# Altium PCB 0020-03_FFT2G.PcbDoc (part 13 of 16) (continued)
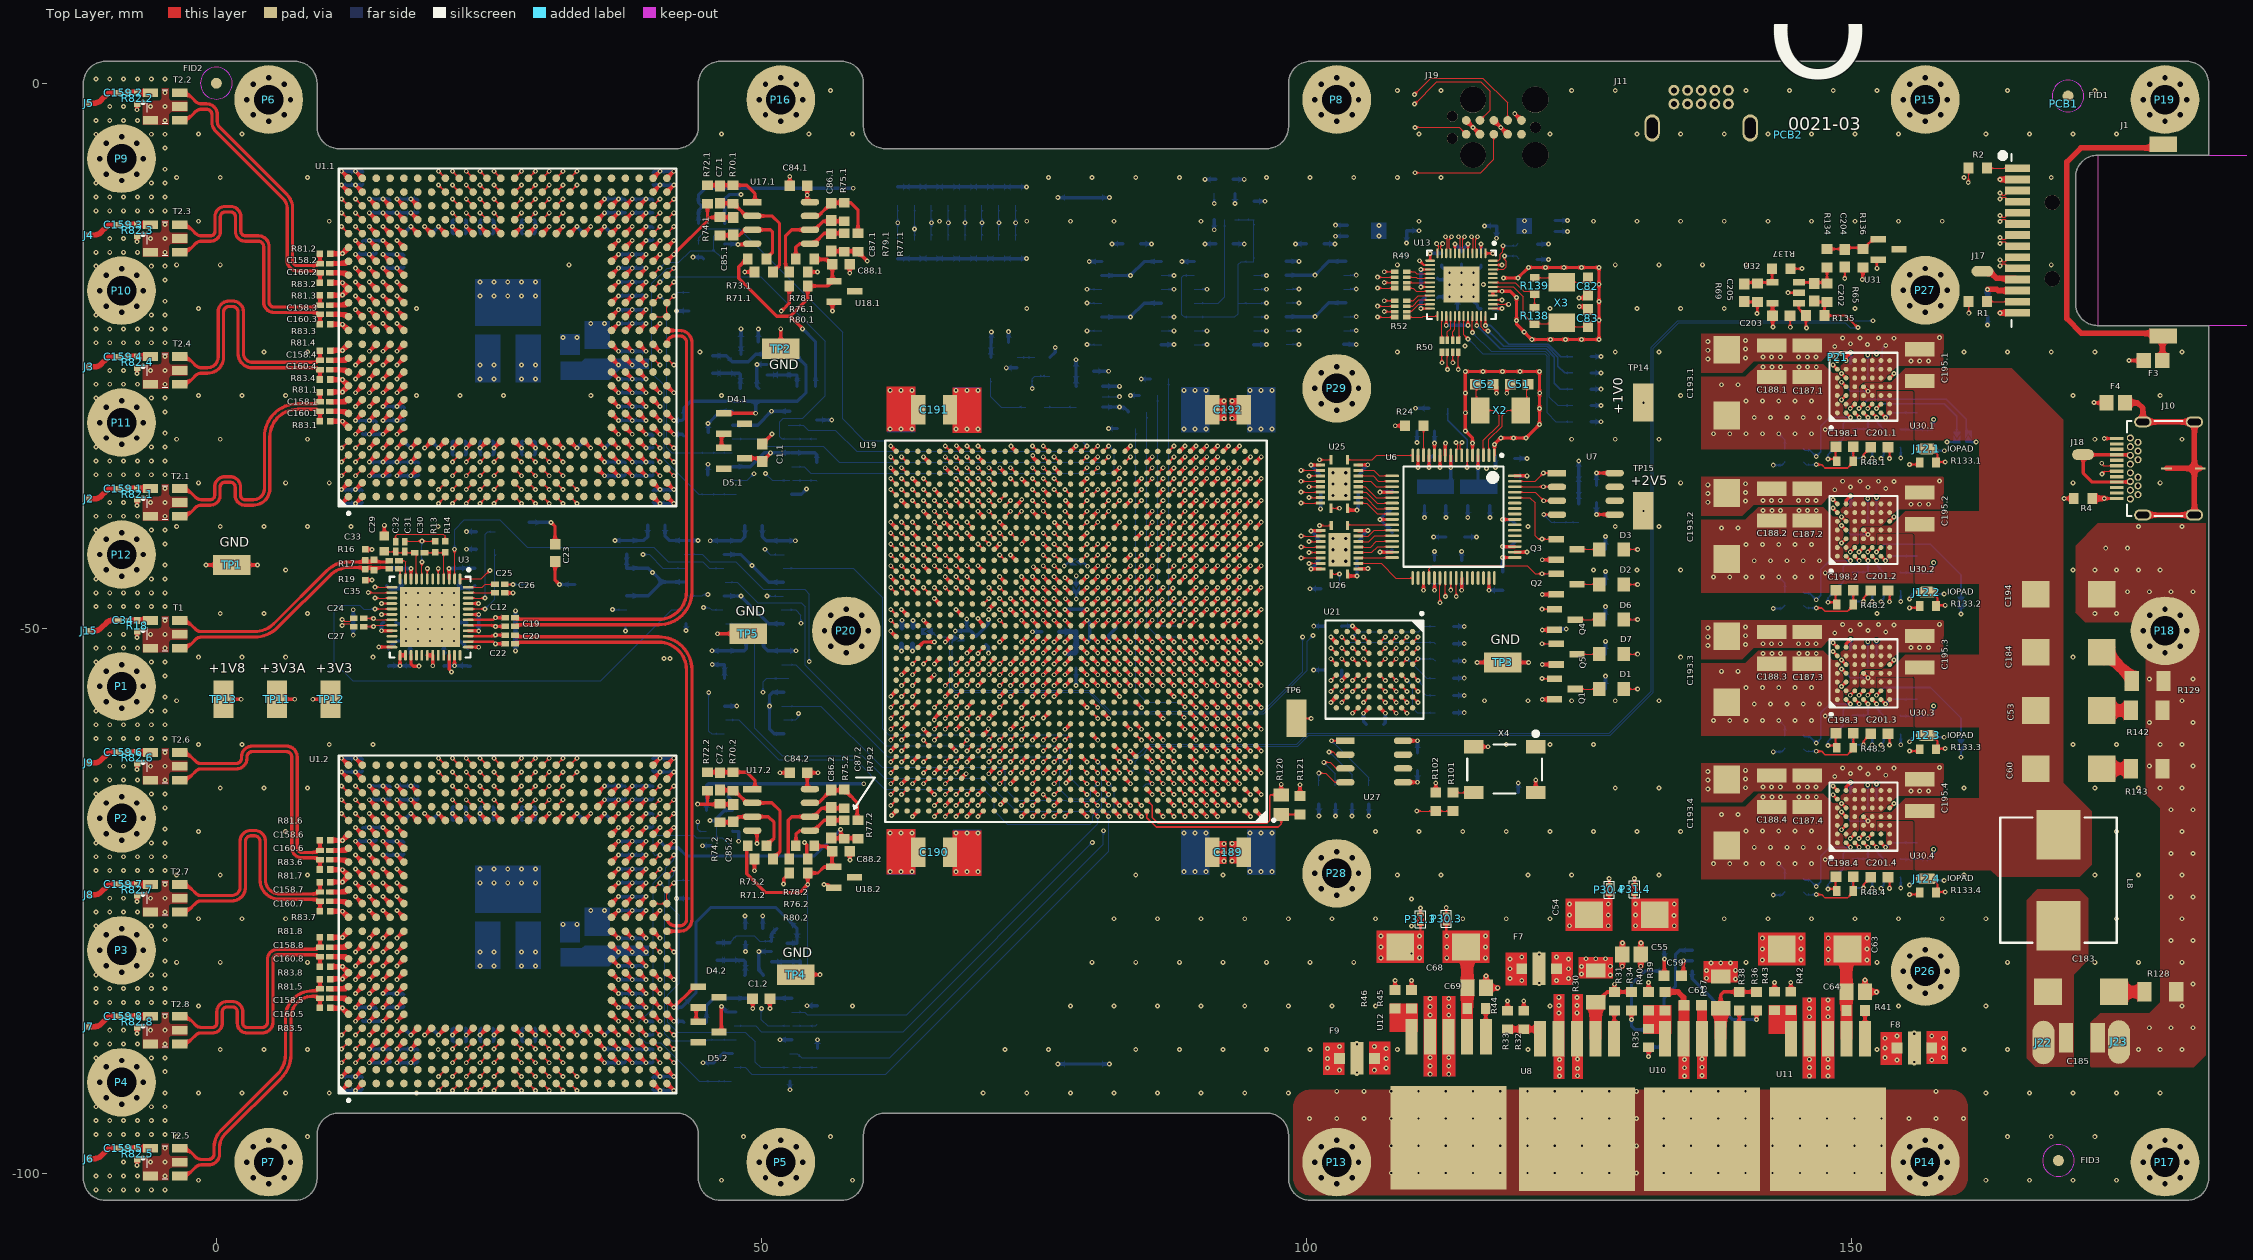
[diagram p0: Top Layer view]
## Nets (pads, with @x,y where several pads share a name; then routed paths per layer and width w, separated by ;. In a path a pad name is that pad's centre, name@x,y a point inside that pad or via, vN(x,y) a via of type N, cw(c..) or ccw(c..) an arc to the next point about the centre after c; other vN are vias at no path point) (continued)
SA.7_N: U1.2.H2 U19.E24 | length 74.2
  Top Layer w0.1: v1(20.383,-91.148) U1.2.H2@21.018,-90.513 ; v1(71.875,-63.28) U19.E24@72.375,-62.78
  LVDS3 w0.1: v1(20.383,-91.148) 20.383,-91.576 20.49,-91.683 20.862,-91.683 21.096,-91.917 21.096,-92.692 21.328,-92.924 25.976,-92.924 26.423,-92.477 26.423,-90.003 27.411,-89.016 55.767,-89.016 70.548,-74.234 70.548,-64.306 71.19,-63.664 71.773,-63.664 71.875,-63.562 v1(71.875,-63.28)
SA.7_P: U1.2.H1 U19.D24 | length 74.3
  Top Layer w0.1: v1(20.383,-92.418) U1.2.H1@21.018,-91.783 ; v1(71.875,-64.28) U19.D24@72.375,-63.78
  LVDS3 w0.1: v1(20.383,-92.418) 20.383,-91.989 20.49,-91.883 20.779,-91.883 20.896,-92 20.896,-92.775 21.245,-93.124 26.059,-93.124 26.623,-92.56 26.623,-92.19 26.623,-90.086 27.494,-89.216 55.85,-89.216 70.748,-74.317 70.748,-64.389 71.273,-63.864 71.773,-63.864 71.875,-63.966 v1(71.875,-64.28)
SA.8_N: U1.2.B3 U19.G25 | length 74.6
  Top Layer w0.1: v1(12.763,-89.878) U1.2.B3@13.398,-89.243 ; v1(70.875,-61.28) U19.G25@71.375,-60.78
  LVDS3 w0.1: v1(12.763,-89.878) 12.354,-89.878 12.228,-90.003 12.228,-90.191 12.447,-90.409 17.936,-90.409 19.629,-88.716 19.629,-87.003 25.087,-81.545 41.123,-81.545 59.988,-62.68 69.196,-62.68 70.196,-61.68 70.558,-61.68 70.727,-61.849 70.81,-61.849 70.875,-61.784 v1(70.875,-61.28)
SA.8_P: U1.2.A3 U19.F25 | length 74.5
  Top Layer w0.1: v1(11.493,-89.878) U1.2.A3@12.128,-89.243 ; v1(70.875,-62.28) U19.F25@71.375,-61.78
  LVDS3 w0.1: v1(11.493,-89.878) 11.903,-89.878 12.028,-90.003 12.028,-90.274 12.364,-90.609 18.018,-90.609 19.829,-88.799 19.829,-87.085 25.17,-81.745 41.205,-81.745 45.597,-77.353 59.592,-63.358 60.07,-62.88 69.279,-62.88 70.279,-61.88 70.475,-61.88 v1(70.875,-62.28)
SA.9_N: U1.2.B4 U19.B30 | length 75.9
  Top Layer w0.1: v1(12.763,-88.608) U1.2.B4@13.398,-87.973 ; v1(65.875,-66.28) U19.B30@66.375,-65.78
  LVDS1 w0.1: v1(12.763,-88.608) 12.287,-88.608 12.228,-88.666 12.228,-91.241 12.641,-91.654 18.215,-91.654 19.718,-90.151 19.718,-87.708 19.721,-87.705 19.721,-84.24 23.712,-80.249 57.651,-80.249 65.123,-72.778 65.123,-67.366 65.875,-66.614 v1(65.875,-66.28)
SA.9_P: U1.2.A4 U19.A30 | length 75.7
  Top Layer w0.1: v1(11.493,-88.608) U1.2.A4@12.128,-87.973 ; v1(65.875,-67.28) U19.A30@66.375,-66.78
  LVDS1 w0.1: v1(11.493,-88.608) 11.97,-88.608 12.028,-88.666 12.028,-91.324 12.558,-91.854 18.298,-91.854 19.918,-90.234 19.918,-87.791 19.921,-87.788 19.921,-84.323 23.795,-80.449 57.734,-80.449 65.323,-72.86 65.323,-67.449 65.492,-67.28 v1(65.875,-67.28) v1@65.875,-67.293
SA.DR_N: U1.2.M2 U19.D29 | length 76.2
  Top Layer w0.1: v1(25.463,-91.148) U1.2.M2@26.098,-90.513 ; v1(66.875,-64.28) U19.D29@67.375,-63.78
  LVDS1 w0.1: v1(25.463,-91.148) 25.463,-91.557 25.393,-91.627 25.187,-91.627 24.908,-91.348 24.908,-90.767 25.112,-90.562 26.25,-90.562 27.411,-91.723 42.712,-91.723 ccw(c42.712,-91.273) 43.162,-91.273 43.162,-91.173 cw(c43.412,-91.173) 43.412,-90.923 43.712,-90.923 cw(c43.712,-91.173) 43.962,-91.173 43.962,-92.073 ccw(c44.412,-92.073) 44.412,-92.523 44.712,-92.523 ccw(c44.712,-92.073) 45.162,-92.073 45.162,-91.973 cw(c45.412,-91.973) 45.412,-91.723 57.737,-91.723 71.573,-77.886 71.573,-65.756 70.497,-64.68 66.947,-64.68 66.875,-64.608 v1(66.875,-64.28)
SA.DR_P: U1.2.M1 U19.C29 | length 76.1
  Top Layer w0.1: v1(25.463,-92.418) U1.2.M1@26.098,-91.783 ; v1(66.875,-65.28) U19.C29@67.375,-64.78
  LVDS1 w0.1: v1(25.463,-92.418) 25.463,-91.932 25.359,-91.827 25.101,-91.827 24.708,-91.434 24.708,-90.684 25.03,-90.362 26.333,-90.362 27.494,-91.523 42.712,-91.523 ccw(c42.712,-91.273) 42.962,-91.273 42.962,-91.173 cw(c43.412,-91.173) 43.412,-90.723 43.712,-90.723 cw(c43.712,-91.173) 44.162,-91.173 44.162,-92.073 ccw(c44.412,-92.073) 44.412,-92.323 44.712,-92.323 ccw(c44.712,-92.073) 44.962,-92.073 44.962,-91.973 cw(c45.412,-91.973) 45.412,-91.523 57.654,-91.523 71.373,-77.804 71.373,-65.839 70.414,-64.88 67.275,-64.88 v1(66.875,-65.28)
SA.OR_N: U1.2.B5 U19.F29 | length 75.8
  Top Layer w0.1: v1(12.763,-87.338) U1.2.B5@13.398,-86.703 ; v1(66.875,-62.28) U19.F29@67.375,-61.78
  LVDS1 w0.1: v1(12.763,-87.338) 12.354,-87.338 12.228,-87.463 12.228,-87.699 12.393,-87.864 17.981,-87.864 18.432,-87.412 18.432,-82.358 21.964,-78.826 57.926,-78.826 64.527,-72.225 64.527,-65.51 65.3,-64.736 65.3,-63.041 65.662,-62.68 66.761,-62.68 66.853,-62.588 66.853,-62.302 v1(66.875,-62.28)
SA.OR_P: U1.2.A5 U19.E29 | length 76
  Top Layer w0.1: v1(11.493,-87.338) U1.2.A5@12.128,-86.703 ; v1(66.875,-63.28) U19.E29@67.375,-62.78
  LVDS1 w0.1: v1(11.493,-87.338) 11.903,-87.338 12.028,-87.463 12.028,-87.781 12.31,-88.064 18.064,-88.064 18.632,-87.495 18.632,-82.44 22.047,-79.026 58.008,-79.026 64.727,-72.308 64.727,-65.593 65.5,-64.819 65.5,-63.124 65.745,-62.88 66.475,-62.88 v1(66.875,-63.28)
SB.0_N: U1.2.N4 U19.K22 | length 75.1
  Top Layer w0.1: U1.2.N4@27.368,-87.973 v1(28.003,-88.608) ; v1(73.875,-58.28) U19.K22@74.375,-57.78
  LVDS2 w0.1: v1(28.003,-88.608) 28.003,-89.062 28.084,-89.143 28.338,-89.143 28.491,-88.99 28.491,-83.823 30.69,-81.624 30.846,-81.468 53.58,-81.468 53.954,-81.093 ccw(c53.777,-80.916) 54.027,-80.916 ccw(c53.777,-80.916) 53.954,-80.74 53.813,-80.598 cw(c54.131,-80.28) 53.813,-79.962 54.025,-79.75 cw(c54.343,-80.068) 54.661,-79.75 55.439,-80.528 ccw(c55.616,-80.351) 55.793,-80.528 56.005,-80.315 ccw(c55.828,-80.139) 56.078,-80.139 ccw(c55.828,-80.139) 56.005,-79.962 55.227,-79.184 cw(c55.545,-78.866) 55.227,-78.548 55.439,-78.335 cw(c55.757,-78.654) 56.075,-78.335 56.853,-79.113 ccw(c57.03,-78.937) 57.207,-79.113 57.419,-78.901 ccw(c57.242,-78.724) 57.492,-78.724 ccw(c57.242,-78.724) 57.419,-78.548 57.277,-78.406 cw(c57.596,-78.088) 57.277,-77.77 62.062,-72.985 63.985,-72.985 64.332,-72.637 64.332,-71.407 67.848,-67.892 68.872,-67.892 69.3,-67.464 69.3,-64.899 70.267,-63.932 70.267,-60.042 70.664,-59.646 71.696,-59.646 72.653,-58.689 74.183,-58.689 74.414,-58.458 74.414,-58.338 74.355,-58.28 v1(73.875,-58.28)
SB.0_P: U1.2.N3 U19.K21 | length 75.1
  Top Layer w0.1: U1.2.N3@27.368,-89.243 v1(28.003,-89.878) ; v1(74.875,-58.28) U19.K21@75.375,-57.78
  LVDS2 w0.1: v1(28.003,-89.878) 28.003,-89.424 28.084,-89.343 28.421,-89.343 28.691,-89.073 28.691,-83.906 30.773,-81.824 30.929,-81.668 53.662,-81.668 54.095,-81.235 ccw(c53.777,-80.916) 54.227,-80.916 ccw(c53.777,-80.916) 54.095,-80.598 53.954,-80.457 cw(c54.131,-80.28) 53.954,-80.103 54.166,-79.891 cw(c54.343,-80.068) 54.52,-79.891 55.298,-80.669 ccw(c55.616,-80.351) 55.934,-80.669 56.146,-80.457 ccw(c55.828,-80.139) 56.278,-80.139 ccw(c55.828,-80.139) 56.146,-79.82 55.368,-79.043 cw(c55.545,-78.866) 55.368,-78.689 55.58,-78.477 cw(c55.757,-78.654) 55.934,-78.477 56.712,-79.255 ccw(c57.03,-78.937) 57.348,-79.255 57.56,-79.043 ccw(c57.242,-78.724) 57.692,-78.724 ccw(c57.242,-78.724) 57.56,-78.406 57.419,-78.265 cw(c57.596,-78.088) 57.419,-77.911 62.145,-73.185 64.068,-73.185 64.532,-72.72 64.532,-71.49 67.93,-68.092 68.955,-68.092 69.014,-68.033 69.5,-67.547 69.5,-64.981 70.467,-64.015 70.467,-60.125 70.746,-59.846 71.779,-59.846 72.736,-58.889 74.266,-58.889 v1(74.875,-58.28)
SB.1_N: U1.2.P2 U19.F20 | length 74.8
  Top Layer w0.1: U1.2.P2@28.638,-90.513 v1(29.273,-91.148) ; v1(75.875,-62.28) U19.F20@76.375,-61.78
  LVDS3 w0.1: v1(29.273,-91.148) 29.273,-91.624 29.332,-91.683 42.28,-91.683 ccw(c42.28,-91.433) 42.53,-91.433 cw(c42.98,-91.433) 42.98,-90.983 43.28,-90.983 cw(c43.28,-91.433) 43.73,-91.433 43.73,-92.133 ccw(c43.98,-92.133) 43.98,-92.383 44.28,-92.383 ccw(c44.28,-92.133) 44.53,-92.133 44.53,-91.433 cw(c44.98,-91.433) 44.98,-90.983 45.28,-90.983 cw(c45.28,-91.433) 45.73,-91.433 45.73,-92.133 ccw(c45.98,-92.133) 45.98,-92.383 46.28,-92.383 ccw(c46.28,-92.133) 46.53,-92.133 46.53,-91.433 cw(c46.98,-91.433) 46.98,-90.983 47.28,-90.983 cw(c47.28,-91.433) 47.73,-91.433 47.73,-92.133 ccw(c47.98,-92.133) 47.98,-92.383 48.28,-92.383 ccw(c48.28,-92.133) 48.53,-92.133 cw(c48.98,-92.133) 48.98,-91.683 57.377,-91.683 58.536,-91.683 76.294,-73.924 76.294,-62.661 76.294,-62.349 76.225,-62.28 v1(75.875,-62.28)
SB.1_P: U1.2.P1 U19.F19 | length 74.9
  Top Layer w0.1: U1.2.P1@28.638,-91.783 v1(29.273,-92.418) ; v1(76.875,-62.28) U19.F19@77.375,-61.78
  LVDS3 w0.1: v1(29.273,-92.418) 29.273,-91.941 29.332,-91.883 42.28,-91.883 ccw(c42.28,-91.433) 42.73,-91.433 cw(c42.98,-91.433) 42.98,-91.183 43.28,-91.183 cw(c43.28,-91.433) 43.53,-91.433 43.53,-92.133 ccw(c43.98,-92.133) 43.98,-92.583 44.28,-92.583 ccw(c44.28,-92.133) 44.73,-92.133 44.73,-91.433 cw(c44.98,-91.433) 44.98,-91.183 45.28,-91.183 cw(c45.28,-91.433) 45.53,-91.433 45.53,-92.133 ccw(c45.98,-92.133) 45.98,-92.583 46.28,-92.583 ccw(c46.28,-92.133) 46.73,-92.133 46.73,-91.433 cw(c46.98,-91.433) 46.98,-91.183 47.28,-91.183 cw(c47.28,-91.433) 47.53,-91.433 47.53,-92.133 ccw(c47.98,-92.133) 47.98,-92.583 48.28,-92.583 ccw(c48.28,-92.133) 48.73,-92.133 cw(c48.98,-92.133) 48.98,-91.883 57.377,-91.883 58.618,-91.883 76.494,-74.007 76.494,-62.661 v1(76.875,-62.28)
SB.2_N: U1.2.P4 U19.J22 | length 75.2
  Top Layer w0.1: U1.2.P4@28.638,-87.973 v1(29.273,-88.608) ; v1(73.875,-59.28) U19.J22@74.375,-58.78
  LVDS2 w0.1: v1(29.273,-88.608) 29.273,-89.036 29.38,-89.143 29.653,-89.143 29.811,-88.984 29.811,-83.751 30.794,-82.769 42.306,-82.769 ccw(c42.306,-82.519) 42.556,-82.519 cw(c43.006,-82.519) 43.006,-82.069 43.306,-82.069 cw(c43.306,-82.519) 43.756,-82.519 43.756,-83.219 ccw(c44.006,-83.219) 44.006,-83.469 44.306,-83.469 ccw(c44.306,-83.219) 44.556,-83.219 44.556,-82.519 cw(c45.006,-82.519) 45.006,-82.069 45.306,-82.069 cw(c45.306,-82.519) 45.756,-82.519 45.756,-83.219 ccw(c46.006,-83.219) 46.006,-83.469 46.306,-83.469 ccw(c46.306,-83.219) 46.556,-83.219 46.556,-82.519 cw(c47.006,-82.519) 47.006,-82.069 47.306,-82.069 cw(c47.306,-82.519) 47.756,-82.519 47.756,-83.219 ccw(c48.006,-83.219) 48.006,-83.469 48.306,-83.469 ccw(c48.306,-83.219) 48.556,-83.219 48.556,-82.519 cw(c49.006,-82.519) 49.006,-82.069 49.306,-82.069 cw(c49.306,-82.519) 49.756,-82.519 49.756,-83.219 ccw(c50.006,-83.219) 50.006,-83.469 50.306,-83.469 ccw(c50.306,-83.219) 50.556,-83.219 cw(c51.006,-83.219) 51.006,-82.769 55.138,-82.769 63.957,-73.95 67.281,-70.626 68.666,-70.626 70.699,-68.593 70.699,-64.986 71.3,-64.385 71.3,-62.041 71.687,-61.655 72.107,-61.655 72.3,-61.462 72.3,-59.954 72.579,-59.675 73.779,-59.675 73.875,-59.579 v1(73.875,-59.28)
SB.2_P: U1.2.P3 U19.H22 | length 75.2
  Top Layer w0.1: U1.2.P3@28.638,-89.243 v1(29.273,-89.878) ; v1(73.875,-60.28) U19.H22@74.375,-59.78
  LVDS2 w0.1: v1(29.273,-89.878) 29.273,-89.449 29.38,-89.343 29.736,-89.343 30.011,-89.067 30.011,-83.834 30.877,-82.969 42.306,-82.969 ccw(c42.306,-82.519) 42.756,-82.519 cw(c43.006,-82.519) 43.006,-82.269 43.306,-82.269 cw(c43.306,-82.519) 43.556,-82.519 43.556,-83.219 ccw(c44.006,-83.219) 44.006,-83.669 44.306,-83.669 ccw(c44.306,-83.219) 44.756,-83.219 44.756,-82.519 cw(c45.006,-82.519) 45.006,-82.269 45.306,-82.269 cw(c45.306,-82.519) 45.556,-82.519 45.556,-83.219 ccw(c46.006,-83.219) 46.006,-83.669 46.306,-83.669 ccw(c46.306,-83.219) 46.756,-83.219 46.756,-82.519 cw(c47.006,-82.519) 47.006,-82.269 47.306,-82.269 cw(c47.306,-82.519) 47.556,-82.519 47.556,-83.219 ccw(c48.006,-83.219) 48.006,-83.669 48.306,-83.669 ccw(c48.306,-83.219) 48.756,-83.219 48.756,-82.519 cw(c49.006,-82.519) 49.006,-82.269 49.306,-82.269 cw(c49.306,-82.519) 49.556,-82.519 49.556,-83.219 ccw(c50.006,-83.219) 50.006,-83.669 50.306,-83.669 ccw(c50.306,-83.219) 50.756,-83.219 cw(c51.006,-83.219) 51.006,-82.969 55.221,-82.969 63.884,-74.306 67.364,-70.826 68.749,-70.826 70.899,-68.676 70.899,-65.069 71.5,-64.468 71.5,-62.124 71.77,-61.855 72.19,-61.855 72.5,-61.545 72.5,-60.037 72.661,-59.875 73.81,-59.875 73.875,-59.941 v1(73.875,-60.28)
SB.3_N: U1.2.R2 U19.D19 | length 74.8
  Top Layer w0.1: U1.2.R2@29.908,-90.513 v1(30.543,-91.148) ; v1(76.875,-64.28) U19.D19@77.375,-63.78
  LVDS2 w0.1: v1(30.543,-91.148) 30.543,-91.725 30.65,-91.832 30.975,-91.832 31.256,-92.113 31.256,-93.019 31.799,-93.562 65.503,-93.562 78.523,-80.542 78.523,-66.298 77.316,-65.09 77.316,-64.003 77.13,-63.817 76.975,-63.817 76.875,-63.917 v1(76.875,-64.28)
SB.3_P: U1.2.R1 U19.E19 | length 74.9
  Top Layer w0.1: U1.2.R1@29.908,-91.783 v1(30.543,-92.418) ; v1(76.875,-63.28) U19.E19@77.375,-62.78
  LVDS2 w0.1: v1(30.543,-92.418) 30.543,-92.095 30.606,-92.033 30.893,-92.033 31.056,-92.196 31.056,-93.102 31.716,-93.762 65.586,-93.762 78.723,-80.625 78.723,-66.215 77.516,-65.007 77.516,-63.92 v1(76.875,-63.28)
SB.4_N: U1.2.R4 U19.H20 | length 75.2
  Top Layer w0.1: U1.2.R4@29.908,-87.973 v1(30.543,-88.608) ; v1(75.875,-60.28) U19.H20@76.375,-59.78
  LVDS2 w0.1: v1(30.543,-88.608) 30.543,-89.036 30.65,-89.143 30.929,-89.143 31.056,-89.016 31.056,-84.564 31.616,-84.004 55.847,-84.004 56.836,-83.016 cw(c57.084,-83.263) 57.331,-83.016 ccw(c57.508,-82.839) 57.685,-83.016 57.897,-82.804 ccw(c57.72,-82.627) 57.97,-82.627 ccw(c57.72,-82.627) 57.897,-82.45 57.543,-82.096 cw(c57.861,-81.778) 57.543,-81.46 57.755,-81.248 cw(c58.073,-81.566) 58.392,-81.248 58.745,-81.601 ccw(c58.922,-81.425) 59.099,-81.601 59.311,-81.389 ccw(c59.134,-81.213) 59.384,-81.213 ccw(c59.134,-81.213) 59.311,-81.036 58.957,-80.682 cw(c59.276,-80.364) 58.957,-80.046 59.169,-79.834 cw(c59.488,-80.152) 59.806,-79.834 60.159,-80.187 ccw(c60.336,-80.01) 60.513,-80.187 60.725,-79.975 ccw(c60.548,-79.798) 60.798,-79.798 ccw(c60.548,-79.798) 60.725,-79.622 60.372,-79.268 cw(c60.69,-78.95) 60.372,-78.632 60.584,-78.419 cw(c60.902,-78.738) 61.22,-78.419 61.574,-78.773 ccw(c61.75,-78.596) 61.927,-78.773 62.139,-78.561 ccw(c61.963,-78.384) 62.213,-78.384 ccw(c61.963,-78.384) 62.139,-78.207 61.786,-77.854 cw(c62.104,-77.536) 61.786,-77.217 61.998,-77.005 cw(c62.316,-77.323) 62.634,-77.005 62.988,-77.359 ccw(c63.165,-77.182) 63.341,-77.359 63.554,-77.147 ccw(c63.377,-76.97) 63.627,-76.97 ccw(c63.377,-76.97) 63.554,-76.793 cw(c63.801,-76.546) 63.554,-76.298 67.2,-72.651 67.2,-72.162 67.85,-71.513 68.987,-71.513 71.381,-69.119 71.381,-65.634 72.274,-64.741 72.274,-63.068 72.645,-62.697 75.988,-62.697 76.284,-62.402 76.284,-60.671 76.284,-60.357 76.206,-60.28 v1(75.875,-60.28)
SB.4_P: U1.2.R3 U19.H19 | length 75.3
  Top Layer w0.1: U1.2.R3@29.908,-89.243 v1(30.543,-89.878) ; v1(76.875,-60.28) U19.H19@77.375,-59.78
  LVDS2 w0.1: v1(30.543,-89.878) 30.543,-89.449 30.65,-89.343 31.012,-89.343 31.256,-89.099 31.256,-84.647 31.698,-84.204 55.93,-84.204 56.977,-83.157 cw(c57.084,-83.263) 57.19,-83.157 ccw(c57.508,-82.839) 57.826,-83.157 58.038,-82.945 ccw(c57.72,-82.627) 58.17,-82.627 ccw(c57.72,-82.627) 58.038,-82.309 57.685,-81.955 cw(c57.861,-81.778) 57.685,-81.601 57.897,-81.389 cw(c58.073,-81.566) 58.25,-81.389 58.604,-81.743 ccw(c58.922,-81.425) 59.24,-81.743 59.452,-81.531 ccw(c59.134,-81.213) 59.584,-81.213 ccw(c59.134,-81.213) 59.452,-80.894 59.099,-80.541 cw(c59.276,-80.364) 59.099,-80.187 59.311,-79.975 cw(c59.488,-80.152) 59.664,-79.975 60.018,-80.329 ccw(c60.336,-80.01) 60.654,-80.329 60.867,-80.117 ccw(c60.548,-79.798) 60.998,-79.798 ccw(c60.548,-79.798) 60.867,-79.48 60.513,-79.127 cw(c60.69,-78.95) 60.513,-78.773 60.725,-78.561 cw(c60.902,-78.738) 61.079,-78.561 61.432,-78.914 ccw(c61.75,-78.596) 62.069,-78.914 62.281,-78.702 ccw(c61.963,-78.384) 62.413,-78.384 ccw(c61.963,-78.384) 62.281,-78.066 61.927,-77.712 cw(c62.104,-77.536) 61.927,-77.359 62.139,-77.147 cw(c62.316,-77.323) 62.493,-77.147 62.846,-77.5 ccw(c63.165,-77.182) 63.483,-77.5 63.695,-77.288 ccw(c63.377,-76.97) 63.827,-76.97 ccw(c63.377,-76.97) 63.695,-76.652 cw(c63.801,-76.546) 63.695,-76.44 67.4,-72.734 67.4,-72.245 67.932,-71.713 69.07,-71.713 71.581,-69.202 71.581,-65.716 72.474,-64.824 72.474,-63.151 72.727,-62.897 76.071,-62.897 76.484,-62.484 76.484,-60.671 v1(76.875,-60.28)
SB.5_N: U1.2.T2 U19.A19 | length 75.4
  Top Layer w0.1: U1.2.T2@31.178,-90.513 v1(31.813,-91.148) ; v1(76.875,-67.28) U19.A19@77.375,-66.78
  LVDS2 w0.1: v1(31.813,-91.148) 31.813,-91.576 31.92,-91.683 32.231,-91.683 32.475,-91.927 32.475,-92.813 32.611,-92.948 ; 32.62,-92.948 63.838,-92.948 64.088,-92.948 65.274,-91.763 ccw(c65.098,-91.586) 65.348,-91.586 ccw(c65.098,-91.586) 65.274,-91.409 cw(c65.592,-91.091) 65.274,-90.773 65.486,-90.561 cw(c65.805,-90.879) 66.123,-90.561 66.618,-91.056 ccw(c66.795,-90.879) 66.971,-91.056 67.184,-90.843 ccw(c67.007,-90.667) 67.257,-90.667 ccw(c67.007,-90.667) 67.184,-90.49 66.689,-89.995 cw(c67.007,-89.677) 66.689,-89.358 66.901,-89.146 cw(c67.219,-89.465) 67.537,-89.146 68.032,-89.641 ccw(c68.209,-89.465) 68.386,-89.641 68.598,-89.429 ccw(c68.421,-89.252) 68.671,-89.252 ccw(c68.421,-89.252) 68.598,-89.076 68.103,-88.581 cw(c68.421,-88.262) 68.103,-87.944 68.315,-87.732 cw(c68.633,-88.05) 68.951,-87.732 69.446,-88.227 ccw(c69.623,-88.05) 69.8,-88.227 70.012,-88.015 ccw(c69.835,-87.838) 70.085,-87.838 ccw(c69.835,-87.838) 70.012,-87.661 69.517,-87.166 cw(c69.835,-86.848) 69.517,-86.53 69.729,-86.318 cw(c70.047,-86.636) 70.365,-86.318 70.86,-86.813 ccw(c71.037,-86.636) 71.214,-86.813 71.426,-86.601 ccw(c71.249,-86.424) 71.499,-86.424 ccw(c71.249,-86.424) 71.427,-86.248 ; 71.426,-86.247 cw(c71.744,-85.929) 71.426,-85.611 77.275,-79.762 77.275,-67.68 77.275,-67.338 77.217,-67.28 v1(76.875,-67.28)
SB.5_P: U1.2.T1 U19.A18 | length 75.5
  Top Layer w0.1: U1.2.T1@31.178,-91.783 v1(31.813,-92.418) ; v1(77.875,-67.28) U19.A18@78.375,-66.78
  LVDS2 w0.1: v1(31.813,-92.418) 31.813,-91.989 31.92,-91.883 32.148,-91.883 32.275,-92.01 32.275,-92.895 32.528,-93.148 63.838,-93.148 64.171,-93.148 65.416,-91.904 ccw(c65.098,-91.586) 65.548,-91.586 ccw(c65.098,-91.586) 65.416,-91.268 cw(c65.592,-91.091) 65.416,-90.914 65.628,-90.702 cw(c65.805,-90.879) 65.981,-90.702 66.476,-91.197 ccw(c66.795,-90.879) 67.113,-91.197 67.325,-90.985 ccw(c67.007,-90.667) 67.457,-90.667 ccw(c67.007,-90.667) 67.325,-90.348 66.83,-89.853 cw(c67.007,-89.677) 66.83,-89.5 67.042,-89.288 cw(c67.219,-89.465) 67.396,-89.288 67.891,-89.783 ccw(c68.209,-89.465) 68.527,-89.783 68.739,-89.571 ccw(c68.421,-89.252) 68.871,-89.252 ccw(c68.421,-89.252) 68.739,-88.934 68.244,-88.439 cw(c68.421,-88.262) 68.244,-88.086 68.456,-87.874 cw(c68.633,-88.05) 68.81,-87.874 69.305,-88.369 ccw(c69.623,-88.05) 69.941,-88.369 70.153,-88.156 ccw(c69.835,-87.838) 70.285,-87.838 ccw(c69.835,-87.838) 70.153,-87.52 69.658,-87.025 cw(c69.835,-86.848) 69.658,-86.671 69.87,-86.459 cw(c70.047,-86.636) 70.224,-86.459 70.719,-86.954 ccw(c71.037,-86.636) 71.355,-86.954 71.568,-86.742 ccw(c71.249,-86.424) 71.699,-86.424 ccw(c71.249,-86.424) 71.568,-86.106 cw(c71.744,-85.929) 71.568,-85.752 77.475,-79.845 77.475,-67.68 v1(77.875,-67.28)
SB.6_N: U1.2.T4 U19.E23 | length 75.4
  Top Layer w0.1: U1.2.T4@31.178,-87.973 v1(31.813,-88.608) ; v1(72.875,-63.28) U19.E23@73.375,-62.78
  LVDS2 w0.1: v1(31.813,-88.608) 31.813,-89.084 31.872,-89.143 33.975,-89.143 35.223,-90.391 38.322,-90.391 38.695,-90.018 38.695,-85.547 39.028,-85.214 43.33,-85.214 44.363,-86.247 56.741,-86.247 57.099,-85.889 cw(c57.346,-86.137) 57.594,-85.889 ccw(c57.77,-85.713) 57.947,-85.889 58.159,-85.677 ccw(c57.982,-85.5) 58.232,-85.5 ccw(c57.982,-85.5) 58.159,-85.324 57.806,-84.97 cw(c58.124,-84.652) 57.806,-84.334 58.018,-84.121 cw(c58.336,-84.44) 58.654,-84.121 59.008,-84.475 ccw(c59.185,-84.298) 59.361,-84.475 59.573,-84.263 ccw(c59.397,-84.086) 59.647,-84.086 ccw(c59.397,-84.086) 59.573,-83.909 59.22,-83.556 cw(c59.538,-83.238) 59.22,-82.919 59.432,-82.707 cw(c59.75,-83.025) 60.068,-82.707 60.422,-83.061 ccw(c60.599,-82.884) 60.776,-83.061 60.988,-82.849 ccw(c60.811,-82.672) 61.061,-82.672 ccw(c60.811,-82.672) 60.988,-82.495 60.634,-82.142 cw(c60.952,-81.823) 60.634,-81.505 60.846,-81.293 cw(c61.164,-81.611) 61.483,-81.293 61.836,-81.647 ccw(c62.013,-81.47) 62.19,-81.647 62.402,-81.435 ccw(c62.225,-81.258) 62.475,-81.258 ccw(c62.225,-81.258) 62.402,-81.081 62.048,-80.727 cw(c62.367,-80.409) 62.048,-80.091 62.26,-79.879 cw(c62.579,-80.197) 62.897,-79.879 63.25,-80.232 ccw(c63.427,-80.056) 63.604,-80.232 63.816,-80.02 ccw(c63.639,-79.844) 63.889,-79.844 ccw(c63.639,-79.844) 63.816,-79.667 63.463,-79.313 cw(c63.781,-78.995) 63.463,-78.677 63.675,-78.465 cw(c63.993,-78.783) 64.311,-78.465 64.665,-78.818 ccw(c64.841,-78.641) 65.018,-78.818 65.23,-78.606 ccw(c65.054,-78.429) 65.304,-78.429 ccw(c65.054,-78.429) 65.23,-78.253 64.877,-77.899 cw(c65.195,-77.581) 64.877,-77.263 65.089,-77.05 cw(c65.407,-77.369) 65.725,-77.05 66.079,-77.404 ccw(c66.256,-77.227) 66.432,-77.404 66.645,-77.192 ccw(c66.468,-77.015) 66.718,-77.015 ccw(c66.468,-77.015) 66.645,-76.838 66.291,-76.485 cw(c66.609,-76.167) 66.291,-75.848 66.503,-75.636 cw(c66.821,-75.954) 67.139,-75.636 ccw(c67.246,-75.53) 67.352,-75.636 72.093,-70.895 72.093,-66.685 72.35,-66.428 72.35,-65.979 73.366,-64.963 73.366,-63.589 73.366,-63.434 73.212,-63.28 v1(72.875,-63.28)
SB.6_P: U1.2.T3 U19.E22 | length 75.4
  Top Layer w0.1: U1.2.T3@31.178,-89.243 v1(31.813,-89.878) ; v1(73.875,-63.28) U19.E22@74.375,-62.78
  LVDS2 w0.1: v1(31.813,-89.878) 31.813,-89.401 31.872,-89.343 33.892,-89.343 35.14,-90.591 38.404,-90.591 38.895,-90.1 38.895,-85.63 39.111,-85.414 43.247,-85.414 44.28,-86.447 56.824,-86.447 57.24,-86.031 cw(c57.346,-86.137) 57.452,-86.031 ccw(c57.77,-85.713) 58.089,-86.031 58.301,-85.819 ccw(c57.982,-85.5) 58.432,-85.5 ccw(c57.982,-85.5) 58.301,-85.182 57.947,-84.829 cw(c58.124,-84.652) 57.947,-84.475 58.159,-84.263 cw(c58.336,-84.44) 58.513,-84.263 58.866,-84.617 ccw(c59.185,-84.298) 59.503,-84.617 59.715,-84.404 ccw(c59.397,-84.086) 59.847,-84.086 ccw(c59.397,-84.086) 59.715,-83.768 59.361,-83.414 cw(c59.538,-83.238) 59.361,-83.061 59.573,-82.849 cw(c59.75,-83.025) 59.927,-82.849 60.281,-83.202 ccw(c60.599,-82.884) 60.917,-83.202 61.129,-82.99 ccw(c60.811,-82.672) 61.261,-82.672 ccw(c60.811,-82.672) 61.129,-82.354 60.776,-82 cw(c60.952,-81.823) 60.776,-81.647 60.988,-81.434 cw(c61.164,-81.611) 61.341,-81.434 61.695,-81.788 ccw(c62.013,-81.47) 62.331,-81.788 62.543,-81.576 ccw(c62.225,-81.258) 62.675,-81.258 ccw(c62.225,-81.258) 62.543,-80.94 62.19,-80.586 cw(c62.367,-80.409) 62.19,-80.232 62.402,-80.02 cw(c62.579,-80.197) 62.755,-80.02 63.109,-80.374 ccw(c63.427,-80.056) 63.745,-80.374 63.958,-80.162 ccw(c63.639,-79.844) 64.089,-79.844 ccw(c63.639,-79.844) 63.958,-79.525 63.604,-79.172 cw(c63.781,-78.995) 63.604,-78.818 63.816,-78.606 cw(c63.993,-78.783) 64.17,-78.606 64.523,-78.96 ccw(c64.841,-78.641) 65.16,-78.96 65.372,-78.748 ccw(c65.054,-78.429) 65.504,-78.429 ccw(c65.054,-78.429) 65.372,-78.111 65.018,-77.758 cw(c65.195,-77.581) 65.018,-77.404 65.23,-77.192 cw(c65.407,-77.369) 65.584,-77.192 65.937,-77.545 ccw(c66.256,-77.227) 66.574,-77.545 66.786,-77.333 ccw(c66.468,-77.015) 66.918,-77.015 ccw(c66.468,-77.015) 66.786,-76.697 66.432,-76.343 ; 66.432,-75.99 66.645,-75.778 cw(c66.821,-75.954) 66.998,-75.778 ccw(c67.246,-75.53) 67.493,-75.778 72.293,-70.978 72.293,-66.768 72.55,-66.51 72.55,-66.062 73.566,-65.046 73.566,-63.589 v1(73.875,-63.28) ; 66.432,-76.343 cw(c66.609,-76.167) 66.432,-75.99
SB.7_N: U1.2.U2 U19.C19 | length 75.3
  Top Layer w0.1: U1.2.U2@32.448,-90.513 v1(33.083,-91.148) ; v1(76.875,-65.28) U19.C19@77.375,-64.78
  LVDS2 w0.1: v1(33.083,-91.148) 33.083,-91.611 33.012,-91.683 32.859,-91.683 32.555,-91.378 32.555,-90.691 32.732,-90.514 33.72,-90.514 35.089,-91.883 42.38,-91.883 ccw(c42.38,-91.533) 42.73,-91.533 cw(c42.98,-91.533) 42.98,-91.283 43.28,-91.283 cw(c43.28,-91.533) 43.53,-91.533 43.53,-92.033 ccw(c43.98,-92.033) 43.98,-92.483 44.28,-92.483 ccw(c44.28,-92.033) 44.73,-92.033 44.73,-91.533 cw(c44.98,-91.533) 44.98,-91.283 45.28,-91.283 cw(c45.28,-91.533) 45.53,-91.533 45.53,-92.033 ccw(c45.98,-92.033) 45.98,-92.483 46.28,-92.483 ccw(c46.28,-92.033) 46.73,-92.033 46.73,-91.533 cw(c46.98,-91.533) 46.98,-91.283 47.28,-91.283 cw(c47.28,-91.533) 47.53,-91.533 47.53,-92.033 ccw(c47.98,-92.033) 47.98,-92.483 48.28,-92.483 ccw(c48.28,-92.033) 48.73,-92.033 48.73,-91.533 cw(c48.98,-91.533) 48.98,-91.283 49.28,-91.283 cw(c49.28,-91.533) 49.53,-91.533 49.53,-92.033 ccw(c49.98,-92.033) 49.98,-92.483 50.28,-92.483 ccw(c50.28,-92.033) 50.73,-92.033 50.73,-91.533 cw(c50.98,-91.533) 50.98,-91.283 51.28,-91.283 cw(c51.28,-91.533) 51.53,-91.533 ccw(c51.88,-91.533) 51.88,-91.883 63.605,-91.883 76.475,-79.012 76.475,-65.93 76.475,-65.338 76.534,-65.28 v1(76.875,-65.28)
SB.7_P: U1.2.U1 U19.B20 | length 75.4
  Top Layer w0.1: U1.2.U1@32.448,-91.783 v1(33.083,-92.418) ; v1(75.875,-65.28) U19.B20@76.375,-65.78
  LVDS2 w0.1: v1(33.083,-92.418) 33.083,-91.954 33.012,-91.883 32.777,-91.883 32.355,-91.461 32.355,-90.609 32.65,-90.314 33.803,-90.314 35.172,-91.683 42.38,-91.683 ccw(c42.38,-91.533) 42.53,-91.533 cw(c42.98,-91.533) 42.98,-91.083 43.28,-91.083 cw(c43.28,-91.533) 43.73,-91.533 43.73,-92.033 ccw(c43.98,-92.033) 43.98,-92.283 44.28,-92.283 ccw(c44.28,-92.033) 44.53,-92.033 44.53,-91.533 cw(c44.98,-91.533) 44.98,-91.083 45.28,-91.083 cw(c45.28,-91.533) 45.73,-91.533 45.73,-92.033 ccw(c45.98,-92.033) 45.98,-92.283 46.28,-92.283 ccw(c46.28,-92.033) 46.53,-92.033 46.53,-91.533 cw(c46.98,-91.533) 46.98,-91.083 47.28,-91.083 cw(c47.28,-91.533) 47.73,-91.533 47.73,-92.033 ccw(c47.98,-92.033) 47.98,-92.283 48.28,-92.283 ccw(c48.28,-92.033) 48.53,-92.033 48.53,-91.533 cw(c48.98,-91.533) 48.98,-91.083 49.28,-91.083 cw(c49.28,-91.533) 49.73,-91.533 49.73,-92.033 ccw(c49.98,-92.033) 49.98,-92.283 50.28,-92.283 ccw(c50.28,-92.033) 50.53,-92.033 50.53,-91.533 cw(c50.98,-91.533) 50.98,-91.083 51.28,-91.083 cw(c51.28,-91.533) 51.73,-91.533 ccw(c51.88,-91.533) 51.88,-91.683 63.522,-91.683 64.541,-90.663 75.895,-79.31 76.275,-78.929 76.275,-66.013 76.275,-65.68 v1(75.875,-65.28)